# Altium PCB Controller_PVC_v2.PcbDoc (part 2 of 2)
Units mm, origin at the board's own origin, x right, y up, seen from the top; angles counter-clockwise.
Board outline 130.23 x 131.55 mm, 2 copper layers (Top Layer, Bottom Layer); 183 components, 145 nets, 692 pads, 107 vias.
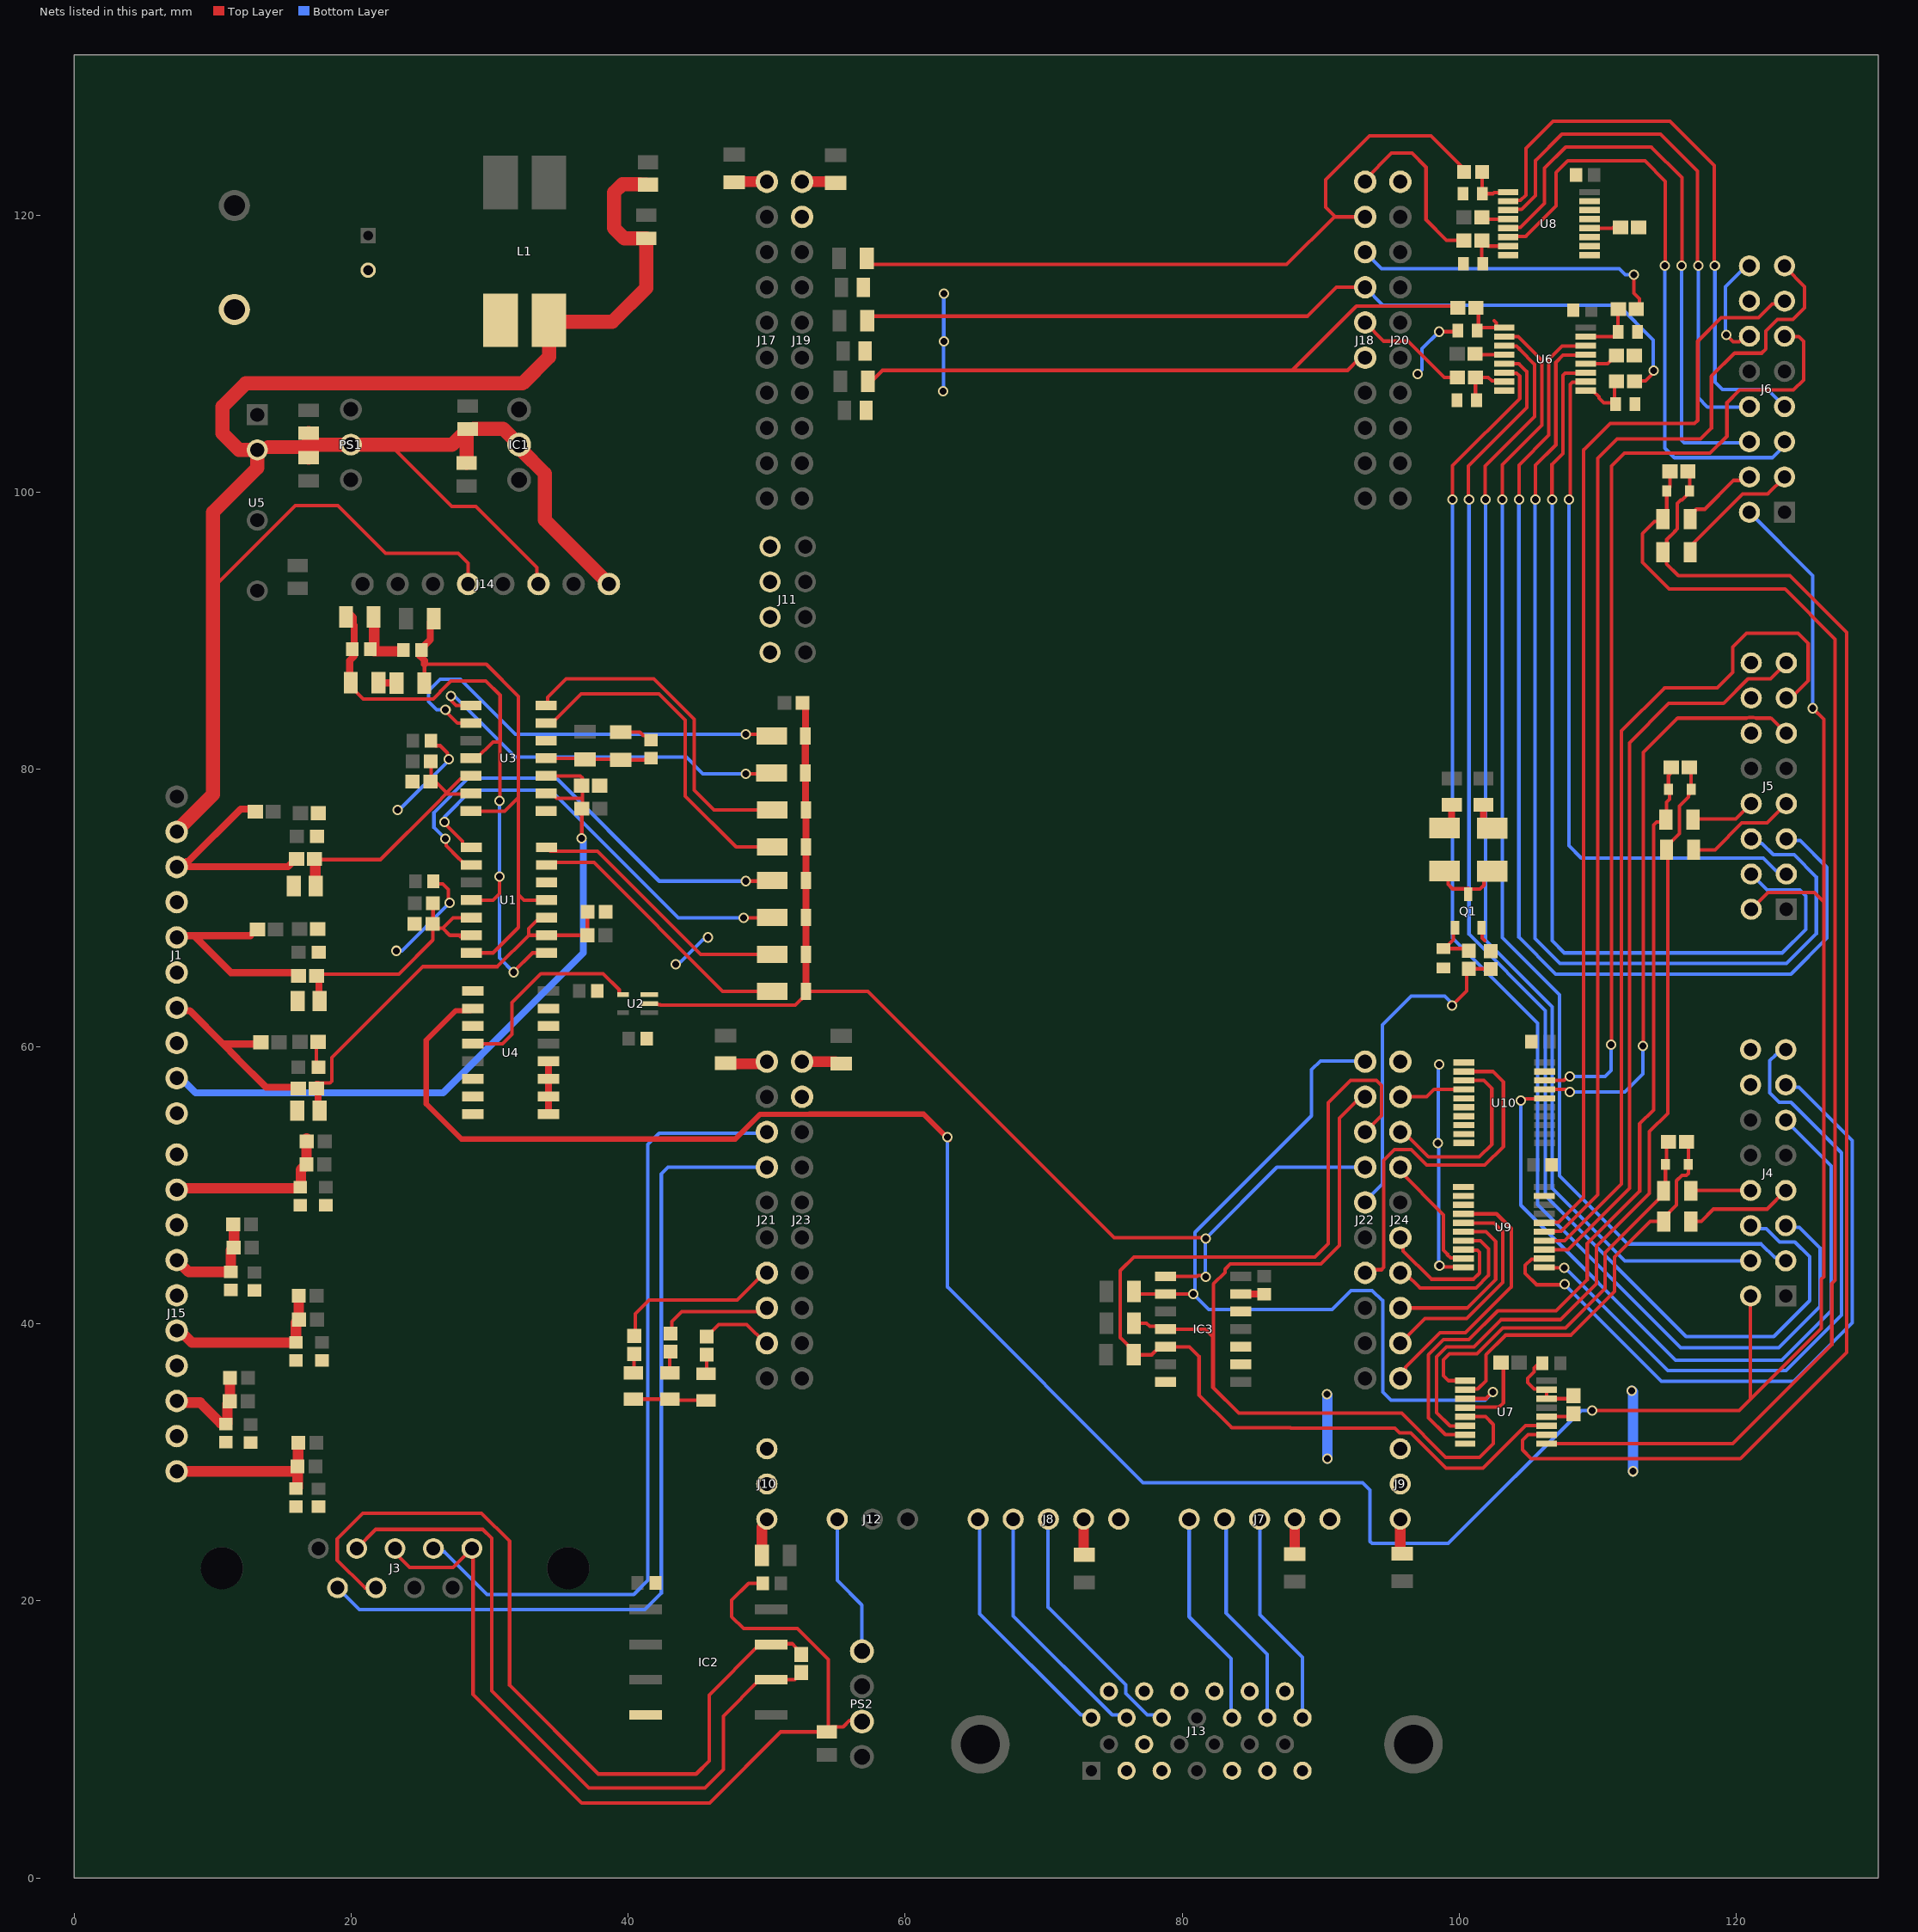
[diagram p2: the nets of this part, all layers, seen from the top]

## Via types
v1: diameter 0.75, hole 0.5, Top Layer to Bottom Layer, 103 vias
v2: diameter 3.2, hole 3.2, Top Layer to Bottom Layer, 4 vias

## Nets (pads, with @x,y where several pads share a name; then routed paths per layer and width w, separated by ;. In a path a pad name is that pad's centre, name@x,y a point inside that pad or via, vN(x,y) a via of type N, cw(c..) or ccw(c..) an arc to the next point about the centre after c; other vN are vias at no path point) (continued)
GND: C1.1 C2.1 C3.1 C4.1 C5.1 C6.1 C7.2 C8.1 C9.2 C10.1 C11.1 C12.1 C13.1 C16.1 C17.1 C18.1 C19.1 C20.1 C21.1 C23.1 C25.1 C26.1 C27.1 C28.1 C29.1 C31.1 C32.1 C33.1 C34.1 C35.1 C38.1 C39.1 C40.1 C41.1 C42.1 C43.1 C44.1 C45.1 C46.1 C47.1 C48.1 C49.1 C50.1 C51.1 C52.1 C53.1 DS1.1 DS2.1 DS3.1 IC1.2 IC2.4 IC3.7 IC3.9 IC3.10 IC3.12 IC3.13 J1.2 J1.4 J1.6 J1.8 J1.10 J4.14 J4.16 J5.12 J5.14 J5.16 J6.12 J6.14 J6.16 J7.5 J8.5 J9.1 J9.2 J10.1 J10.2 J11.1 J11.2 J11.3 J11.4 J12.3 J13.3 J13.4 J13.5 J13.9 J13.11 J13.13 J13.15 J13.17 J13.19 J13.21 J13.23 J13.25 J14.4 J14.6 J14.8 J15.1 J15.3 J15.5 J15.7 J15.9 J19.2 J20.1 J23.2 J24.1 L1.4 PS1.2 PS2.1 Q1.2 R7.1 R8.1 R9.1 R13.2 R14.2 R16.2 R19.2 R22.2 R32.2 R35.2 R39.2 R51.1 R63.1 U1.12 U2.3 U3.8 U3.12 U4.1 U4.3 U4.6 U4.7 U4.8 U4.9 U4.10 U4.11 U4.12 U4.14 U4.15 U5.2 U6.8 U7.8 U7.14 U7.15 U8.8 U8.9 U8.10 U8.11 U8.13 U8.14 U8.15 U9.1 U9.2 U9.3 U9.10 U9.19 U10.1 U10.5 U10.6 U10.7 U10.8 U10.9 U10.10 U10.19 | length 258.8
  Top Layer w0.254: 10.033,93.574 10.516,93.574 15.977,99.035 19.046,99.035 22.5,95.58 27.737,95.58 28.448,94.869 J14.4@28.448,93.37 ; R8.1@17.617,60.325 17.49,60.198 17.49,58.65 C5.1@17.644,58.496 ; 22.936,103.429 22.936,103.302 27.28,98.958 29.007,98.958 33.404,94.561 33.404,93.495 J14.6@33.528,93.37 33.528,93.091 J14.6@33.553,93.066 ; C9.2@25.626,82.167 C9.2@25.748,82.045 ; C7.2@25.938,71.907 26.112,71.734 26.615,71.734 27.032,71.317 27.032,70.453 v1(27.127,70.358) ; C9.2@26.089,81.704 26.428,81.704 26.956,81.176 26.956,80.816 v1(27.051,80.721) ; R19.2@39.7,82.677 40.843,82.677 41.094,82.426 41.293,82.426 41.518,82.201 C11.1@41.518,82.002 ; DS2.1@40.386,34.544 DS1.1@43.002,34.544 43.078,34.468 DS3.1@45.618,34.468 ; v1(98.537,111.582) 99.808,111.582 C34.1@99.884,111.658 ; v1(98.552,44.171) 98.634,44.089 100.24,44.089 U9.10@100.279,44.05 ; Q1.2@101.641,68.796 101.641,67.818 101.829,67.63 ; C33.1@105.715,37.109 105.397,36.791 105.397,36.512 104.931,36.046 104.931,35.737 105.395,35.273 106.247,35.273 U7.15@106.291,35.229 U7.14@106.291,34.579 108.011,34.579 R35.2@108.229,34.798 ; v1(119.249,111.35) 119.754,110.846 120.179,110.846 120.586,111.252 J6.12@120.929,111.252
  Top Layer w0.508: U4.9@34.246,55.118 U4.10@34.246,56.388 U4.11@34.246,57.658 U4.12@34.246,58.928 ; IC3.13@84.215,42.139 84.222,42.131 85.895,42.131 C53.1@85.903,42.124
  Top Layer w0.762: R22.2@21.622,91.288 21.666,91.243 21.666,88.519 C12.1@23.726,88.519
  Top Layer w1.016: J1.2@7.417,75.489 7.417,75.565 10.033,78.181 10.033,93.574 10.033,98.552 13.233,101.752 U5.2@13.233,103.048 11.913,103.048 10.719,104.242 10.719,106.172 12.395,107.848 32.385,107.848 34.287,109.751 L1.4@34.287,112.293 ; 14.023,103.251 16.942,103.251 ; C21.1@16.942,102.481 16.942,103.251 ; C19.1@16.942,104.25 16.942,103.429 ; C20.1@28.346,102.1 C18.1@28.346,104.177 ; C18.1@28.423,104.555 28.4,104.532 28.196,104.532 28.196,104.328 27.297,103.429 22.936,103.429 PS1.2@19.99,103.429 16.942,103.429 ; C18.1@28.838,104.572 30.988,104.572 IC1.2@32.131,103.429 32.267,103.293 32.267,103.065 33.985,101.346 33.985,97.993 J14.8@38.608,93.37 ; L1.4@34.287,112.398 L1.4@34.287,112.293 ; C17.1@41.316,122.203 40.899,122.203 40.877,122.225 39.584,122.225 38.989,121.63 38.989,119.05 39.717,118.321 C16.1@41.3,118.321 41.3,114.732 38.862,112.293 L1.4@34.287,112.293 ; 16.942,103.251 16.942,103.429
  Bottom Layer w0.254: v1(23.266,66.904) 23.673,66.904 v1(27.127,70.358) ; v1(23.368,77.064) 23.47,77.064 v1@27.051,80.645 ; v1(43.434,65.938) 43.568,65.938 43.747,66.117 43.816,66.117 45.389,67.69 45.458,67.69 45.637,67.869 v1(45.771,67.869) ; J12.3@55.093,25.883 55.093,21.463 56.871,19.685 PS2.1@56.871,16.358 ; v1(62.738,107.29) 62.751,107.302 62.751,110.858 62.776,110.884 62.776,114.313 v1(62.789,114.325) ; v1(90.424,34.9) v1@90.464,34.859 ; v1(96.977,108.534) 97.288,108.845 97.288,110.344 98.527,111.582 v1(98.537,111.582) ; v1(98.527,58.699) 98.476,58.649 98.476,53.035 v1(98.45,53.01) 98.501,52.959 98.501,44.221 v1(98.552,44.171) ; v1(119.249,111.35) 119.202,111.397 119.202,114.815 120.719,116.332 J6.16@120.929,116.332
  Bottom Layer w0.762: v1(90.464,30.26) v1@90.464,34.859 ; v1(112.446,35.154) 112.522,35.077 v1(112.522,29.337)
  other v1: 62.789,110.871
GND-ISO: C22.1 C24.2 J3.3 J3.5 PS2.3 | length 68.5
  Top Layer w0.254: J3.3@23.178,23.77 23.178,23.502 23.52,23.159 23.52,23.114 24.232,22.403 27.351,22.403 J3.5@28.718,23.77 28.804,23.684 28.804,13.259 36.652,5.41 45.872,5.41 50.995,10.533 C22.1@54.331,10.533 C22.1@54.458,10.66 ; C24.2@49.718,21.26 48.692,21.26 47.473,20.041 47.473,18.847 48.336,17.983 52.226,17.983 54.458,15.752 C22.1@54.458,10.66 ; PS2.3@56.871,11.278 56.794,11.354 55.982,11.354 55.519,10.891 54.689,10.891 C22.1@54.458,10.66
GPIO0/PWMOUT1A: J18.1 R40.1 | length 13.1
  Top Layer w0.254: J18.1@93.193,122.403 93.193,122.555 95.098,124.46 96.571,124.46 97.587,123.444 97.587,119.659 99.06,118.186 R40.1@100.518,118.186
GPIO1/PWMOUT1B: J18.2 R24.1 R38.1 | length 52.8
  Top Layer w0.254: R24.1@57.309,116.434 87.528,116.434 90.957,119.863 91.059,119.863 ; J18.2@93.193,119.863 91.059,119.863 ; R38.1@100.508,123.139 97.942,125.705 93.497,125.705 90.348,122.555 90.348,120.574 91.059,119.863
GPIO2/PWMOUT2A: J18.3 R27.2 | length 22.8
  Top Layer w0.254: v1(112.598,115.697) 112.598,114.365 113.001,113.962 113.001,113.443 R27.2@112.766,113.208
  Bottom Layer w0.254: J18.3@93.193,117.323 94.384,116.132 111.529,116.132 111.963,115.697 v1(112.598,115.697)
GPIO3/PWMOUT2B: J18.4 R25.1 R29.2 | length 63.3
  Top Layer w0.254: R25.1@57.258,112.7 89.027,112.7 91.11,114.783 J18.4@93.193,114.783 ; R29.2@112.639,108.001 112.659,108.021 113.421,108.021 113.913,108.513 113.913,108.687 v1(114.01,108.785)
  Bottom Layer w0.254: J18.4@93.193,114.783 94.482,113.493 111.436,113.493 111.455,113.513 113.995,110.973 v1@113.995,108.665
GPIO4/PWMOUT3A: J18.5 R33.1 | length 8.3
  Top Layer w0.254: J18.5@93.193,112.243 94.539,110.896 96.291,110.896 98.908,108.28 R33.1@99.858,108.28
GPIO5/PWMOUT3B: J18.6 R26.1 R31.1 | length 50.5
  Top Layer w0.254: R26.1@57.302,107.721 58.369,108.788 87.917,108.788 ; J18.6@92.742,109.608 91.922,108.788 87.917,108.788 ; J18.6@92.931,109.703 J18.6@93.193,109.703 ; R31.1@99.883,113.309 99.759,113.434 92.562,113.434 87.917,108.788 ; R31.1@100.193,113.284 R31.1@100.243,113.284
GPIO6/PWMOUT4A: IC3.2 J22.1 R49.2 U7.3 | length 60.4
  Top Layer w0.254: R49.2@76.511,42.316 76.689,42.139 IC3.2@78.791,42.139 v1(80.797,42.139) ; U7.3@100.415,34.579 101.93,34.579 102.402,35.052 v1(102.419,35.052)
  Bottom Layer w0.254: v1(80.797,42.139) 80.924,42.012 81.915,41.021 90.805,41.021 92.177,42.393 93.701,42.393 94.437,41.656 94.463,41.656 94.463,41.433 ; v1@80.924,42.139 80.924,46.584 89.332,54.991 89.332,58.318 89.967,58.953 93.142,58.953 J22.1@93.193,58.903 ; 94.463,41.432 94.463,35.052 95.047,34.468 101.854,34.468 102.419,35.033 v1(102.419,35.052)
GPIO7/PWMOUT4B: IC3.4 J22.2 R48.2 U7.5 | length 65.7
  Top Layer w0.254: R48.2@76.511,40.03 77.416,40.03 77.647,39.799 78.59,39.799 IC3.4@78.791,39.599 81.661,39.599 82.194,39.065 82.194,35.404 82.245,35.353 ; J22.2@93.193,56.363 92.888,56.363 91.338,54.813 91.338,45.644 89.992,44.298 83.452,44.298 83.071,43.916 83.071,43.69 82.245,42.864 82.245,39.065 82.245,35.353 ; U7.5@100.415,33.279 101.874,33.279 102.438,32.715 102.438,31.344 101.448,30.353 99.009,30.353 95.834,33.528 84.07,33.528 82.245,35.353
GPIO8/PWMOUT5A: IC3.5 J22.3 R47.2 U7.11 | length 77.6
  Top Layer w0.254: J22.3@93.193,53.823 94.386,55.016 94.386,57.175 94.005,57.556 92.151,57.556 90.526,55.931 90.526,45.771 89.56,44.806 76.505,44.806 75.523,43.824 75.523,38.986 76.492,38.017 R47.2@76.492,37.744 77.794,37.744 78.378,38.329 IC3.5@78.791,38.329 80.518,38.329 81.204,37.643 81.204,34.849 83.566,32.487 87.808,32.487 87.833,32.461 95.326,32.461 95.682,32.106 96.495,32.106 99.035,29.566 101.702,29.566 104.765,32.629 U7.11@106.291,32.629
GPIO9/PWMOUT5B: D1.2 D2.2 D3.2 D4.2 D5.2 D6.2 D7.2 D8.2 IC3.1 J22.4 R10.2 U2.2 | length 88.2
  Top Layer w0.254: U2.2@41.529,63.094 41.58,63.043 42.158,63.043 42.198,63.002 42.334,63.002 42.358,62.979 52.07,62.979 52.832,63.741 D1.2@52.832,63.983 57.302,63.983 75.082,46.203 81.63,46.203 v1(81.686,46.146) ; D8.2@52.788,82.391 D8.2@52.794,82.398 ; IC3.1@78.791,43.409 81.077,43.409 81.128,43.459 81.458,43.459 81.534,43.383 v1(81.686,43.383) ; J22.4@93.066,51.156 J22.4@93.193,51.283
  Top Layer w0.508: D8.2@52.788,82.391 52.788,79.737 D7.2@52.781,79.731 52.807,79.705 52.807,77.089 D6.2@52.832,77.064 D5.2@52.832,74.397 D4.2@52.832,71.984 D3.2@52.832,69.317 D2.2@52.832,66.65 D1.2@52.832,63.983 ; D8.2@52.794,82.398 R10.2@52.794,84.493
  Bottom Layer w0.254: v1(81.686,43.383) 81.661,43.409 81.661,46.12 v1(81.686,46.146) 86.823,51.283 J22.4@93.193,51.283
GPIO10/PWMOUT6A: J22.5 R50.1 R51.2 | length 24.1
  Top Layer w0.254: v1(99.466,62.952) 100.508,63.993 R50.1@100.508,65.604 ; R50.1@100.686,65.604 102.235,65.604 R51.2@102.26,65.578
  Bottom Layer w0.254: J22.5@93.193,48.743 93.193,48.844 94.437,50.089 94.437,61.544 96.52,63.627 98.933,63.627 v1@99.492,63.068
GPIO14/OPXBAR3: J22.7 U10.2 | length 27
  Top Layer w0.254: J22.7@93.193,43.663 93.416,43.886 94.384,43.886 94.542,44.044 94.542,51.776 95.318,52.553 96.52,52.553 97.638,51.435 101.829,51.435 103.175,52.781 103.175,57.429 102.414,58.191 U10.2@100.305,58.191
GPIO25/OPXBAR2: J24.10 U9.4 | length 19.1
  Top Layer w0.254: J24.10@95.733,36.043 95.733,36.412 96.105,36.785 96.105,36.847 98.603,39.345 100.432,39.345 103.734,42.647 103.734,46.863 102.677,47.92 U9.4@100.279,47.92
GPIO26/SD2D2: J24.8 U9.6 | length 13.1
  Top Layer w0.254: J24.8@95.733,41.123 100.551,41.123 102.616,43.187 102.616,45.923 101.909,46.63 U9.6@100.279,46.63
GPIO27/SD2CLK2: J24.9 U9.5 | length 16
  Top Layer w0.254: J24.9@95.733,38.583 97.511,40.361 100.508,40.361 103.124,42.977 103.124,46.634 102.514,47.244 100.31,47.244 U9.5@100.279,47.275
GPIO41/I2CSCLB/J5: J21.9 R44.2 | length 5.3
  Top Layer w0.254: R44.2@45.669,39.055 46.543,39.929 48.565,39.929 49.911,38.583 J21.9@50.013,38.583
GPIO52/J5: J21.8 R42.2 | length 8.2
  Top Layer w0.254: R42.2@43.053,39.283 43.155,39.385 43.155,40.157 43.866,40.869 49.759,40.869 J21.8@50.013,41.123
GPIO63/SPIBMOSI: J24.6 U9.8 | length 10.3
  Top Layer w0.254: J24.6@95.733,46.203 95.94,45.995 95.94,45.233 97.968,43.205 101.016,43.205 101.448,43.637 101.448,45.152 101.299,45.301 100.318,45.301 U9.8@100.279,45.34
GPIO64/SPIBMISO: J24.7 U9.7 | length 11.2
  Top Layer w0.254: J24.7@95.733,43.663 96.063,43.663 97.155,42.57 101.194,42.57 102.108,43.485 102.108,45.39 101.513,45.985 U9.7@100.279,45.985
GPIO65/SPIBCLK: J21.7 R43.2 | length 12.4
  Top Layer w0.254: R43.2@40.437,39.106 40.513,39.182 40.513,40.716 41.504,41.707 47.879,41.707 49.835,43.663 J21.7@50.013,43.663
GPIO66/SPIBCS: J24.2 U10.4 | length 4.8
  Top Layer w0.254: J24.2@95.733,56.363 97.636,56.363 98.174,56.901 U10.4@100.305,56.901
GPIO130/SD2D1: J24.4 U9.9 | length 9
  Top Layer w0.254: J24.4@95.733,51.283 95.733,50.97 98.857,47.846 98.857,45.288 99.136,45.009 99.136,44.957 99.359,44.734 100.24,44.734 U9.9@100.279,44.695
GPIO131/SD2CLK1: J24.3 U10.3 | length 14
  Top Layer w0.254: J24.3@95.733,53.823 95.968,53.823 97.772,52.019 101.422,52.019 102.337,52.934 102.337,56.972 101.763,57.546 U10.3@100.305,57.546
HighLimit: C12.2 R17.2 R20.1 U1.7 U1.11 U3.7 | length 39.9
  Top Layer w0.254: R20.1@25.279,86.233 25.298,86.252 25.298,87.579 29.769,87.579 32.08,85.268 32.08,77.953 ; U3.7@28.657,76.987 28.682,76.962 31.09,76.962 32.08,77.953 ; U1.7@28.682,66.751 30.251,66.751 32.08,68.58 32.08,70.968 ; U1.11@34.106,70.561 32.487,70.561 32.08,70.968 ; 32.08,70.968 32.08,77.953
  Top Layer w0.508: 25.298,87.579 25.298,87.852 24.958,88.193 24.958,88.613 25.026,88.682 25.113,88.682 25.281,88.849 25.281,88.924 25.711,89.354 25.711,90.634 R17.2@25.959,90.881
LowLimit: C13.2 R21.2 R22.1 U1.4 U1.8 U3.4 | length 47.1
  Top Layer w0.254: R21.2@19.907,86.335 19.907,86.062 20.891,85.077 25.939,85.077 26.442,85.581 26.442,85.612 27.216,86.385 29.718,86.385 30.759,85.344 30.759,81.991 30.734,81.966 ; U3.4@28.657,80.797 28.677,80.797 28.727,80.747 29.019,80.747 30.238,81.966 30.734,81.966 ; U1.4@28.682,70.561 30.251,70.561 30.709,71.018 v1(30.709,72.263) ; v1(30.709,77.724) 30.734,77.749 30.734,81.966 ; v1(31.75,65.354) 31.75,65.405 33.096,66.751 U1.8@34.106,66.751
  Top Layer w0.508: R21.2@19.907,86.335 19.907,87.852 20.229,88.174 20.229,88.664 20.229,90.393 20.155,90.467 20.155,90.964 R22.1@19.907,91.211
  Bottom Layer w0.254: v1(30.709,77.724) v1(30.709,72.263) 30.709,66.396 v1(31.75,65.354)
NetC15_2: C15.2 J2.2 L1.3
NetC30_1: C30.1 L3.1 R28.1 U7.1 | length 28.9
  Top Layer w0.254: U7.1@100.415,35.879 99.223,35.879 98.857,36.246 98.857,37.389 99.289,37.821 101.263,37.821 103.117,39.675 107.645,39.675 110.515,42.545 110.515,45.117 114.381,48.983 114.732,49.334 L3.1@114.732,49.581 114.869,49.718 C30.1@114.869,51.486 114.869,51.572 114.884,51.587 114.899,51.587 114.945,51.634 114.945,52.705 R28.1@115.123,52.883
NetC30_2: C30.2 L2.1 R28.2 U7.2 | length 28.1
  Top Layer w0.254: U7.2@100.415,35.229 100.459,35.273 101.31,35.273 101.905,35.868 101.905,37.744 103.327,39.167 108.041,39.167 111.201,42.327 111.201,44.806 113.767,47.371 L2.1@114.745,47.371 ; L2.1@114.745,47.618 115.672,48.545 115.672,50.307 116.052,50.687 116.376,50.687 116.525,50.836 C30.2@116.525,51.486 116.525,52.781 R28.2@116.423,52.883
NetC31_2: C31.2 R27.1 U6.15 | length 4.2
  Top Layer w0.254: U6.15@109.11,111.226 111.189,111.226 111.452,111.489 C31.2@111.452,111.557 111.452,113.194 R27.1@111.466,113.208
NetC32_2: C32.2 R29.1 U6.9 | length 4.3
  Top Layer w0.254: U6.9@109.11,107.326 109.622,107.326 110.08,106.869 110.08,106.788 110.416,106.451 111.187,106.451 111.187,108.002 R29.1@111.339,108.153
NetC34_2: C34.2 R31.2 U6.1 | length 4.4
  Top Layer w0.254: R31.2@101.183,113.309 101.194,113.309 101.371,113.132 101.371,111.789 101.393,111.767 101.502,111.876 U6.1@102.758,111.876 ; R31.2@101.543,113.284 R31.2@101.578,113.249 ; 102.511,112.37 102.66,112.221 102.66,111.974 U6.1@102.758,111.876 ; U6.1@103.008,111.876 U6.1@102.758,111.876 ; U6.1@103.234,111.876 U6.1@102.758,111.876
NetC35_2: C35.2 R33.2 U6.7 | length 3.9
  Top Layer w0.254: C35.2@101.233,106.629 101.158,106.705 R33.2@101.158,108.28 102.078,108.28 102.339,108.02 103.19,108.02 U6.7@103.234,107.976
NetC36_1: C36.1 L5.1 R36.1 U7.7 | length 60.9
  Top Layer w0.254: U7.7@100.415,31.979 98.983,31.979 97.765,33.198 97.765,37.744 98.857,38.837 100.686,38.837 102.768,40.919 106.985,40.919 109.22,43.155 109.22,45.771 113.005,49.555 113.005,54.407 114.021,55.423 114.021,75.975 114.238,76.192 114.737,76.192 114.948,76.403 114.948,77.635 115.164,77.851 115.164,78.232 115.062,78.334 115.087,78.359 115.087,79.542 R36.1@115.301,79.756
NetC36_2: C36.2 L4.1 R36.2 U7.6 | length 60.7
  Top Layer w0.254: U7.6@100.415,32.629 100.387,32.601 99.326,32.601 98.349,33.579 98.349,37.61 99.067,38.329 101.052,38.329 103.008,40.284 107.294,40.284 109.88,42.871 109.88,45.568 113.716,49.403 113.716,53.848 115.037,55.169 115.037,74.105 L4.1@114.948,74.193 ; L4.1@114.63,74.123 115.875,75.368 115.875,77.355 116.517,77.997 116.517,78.133 116.718,78.334 116.718,80.005 R36.2@116.586,80.137
NetC37_1: C37.1 L7.1 R41.1 U7.9 | length 98.4
  Top Layer w0.254: U7.9@106.291,31.329 119.721,31.329 126.873,38.481 126.873,42.889 127.114,43.13 127.114,89.395 123.495,93.015 115.138,93.015 113.208,94.945 113.208,97.003 114.085,97.88 114.505,97.88 114.795,98.171 114.96,98.336 C37.1@114.96,100.076 114.96,100.148 115.189,100.377 R41.1@115.189,101.498
NetC37_2: C37.2 L6.1 R41.2 U7.10 | length 103.9
  Top Layer w0.254: U7.10@106.291,31.979 104.953,31.979 104.546,31.572 104.546,30.886 105.181,30.251 120.269,30.251 127.94,37.922 127.94,89.891 123.85,93.98 115.799,93.98 114.952,94.826 114.952,95.626 L6.1@114.795,95.783 ; L6.1@114.795,95.936 114.96,96.101 114.96,96.569 115.553,97.161 115.553,97.187 115.722,97.356 115.722,99.187 115.979,99.444 116.056,99.444 116.616,100.004 C37.2@116.616,100.076 116.616,101.371 R41.2@116.489,101.498
NetC38_2: C38.2 R38.2 U8.1 | length 3.5
  Top Layer w0.254: R38.2@101.64,123.114 101.64,121.549 C38.2@101.651,121.539 102.422,121.539 102.494,121.611 103.469,121.611 U8.1@103.513,121.655
NetC39_2: C39.2 R40.2 U8.7 | length 3.8
  Top Layer w0.254: C39.2@101.69,116.484 101.615,116.56 R40.2@101.615,118.161 101.665,118.161 102.071,117.755 U8.7@103.513,117.755
NetC42_2: C42.2 Q1.1 R50.2 | length 3.7
  Top Layer w0.254: C42.2@98.831,67.059 C42.2@98.936,67.059 ; Q1.1@99.68,68.574 99.57,68.464 99.57,67.693 C42.2@98.936,67.059 ; R50.2@100.686,66.904 100.53,67.059 C42.2@98.936,67.059
NetC43_2: C43.2 J15.10 R52.1 R54.1 | length 12.3
  Top Layer w0.762: J15.10@7.417,29.337 15.784,29.337 R54.1@16.139,29.693 ; C43.2@16.027,28.092 16.072,28.092 16.139,28.159 R54.1@16.139,29.693 ; R52.1@16.205,31.394 16.172,31.362 16.172,29.725 R54.1@16.139,29.693
NetC44_2: C44.2 J15.4 R53.1 R55.1 | length 7.8
  Top Layer w0.762: J15.4@7.417,44.577 7.439,44.577 8.292,43.724 C44.2@11.328,43.724 11.328,45.293 R55.1@11.527,45.491 11.557,45.521 11.557,47.102 R53.1@11.491,47.168
NetC47_2: C47.2 J15.8 R56.1 R58.1 | length 7.7
  Top Layer w0.762: J15.8@7.417,34.417 7.531,34.303 9.105,34.303 10.599,32.809 10.909,32.809 C47.2@10.973,32.745 11.018,32.745 11.082,32.809 11.082,34.226 R58.1@11.248,34.392 11.255,34.399 11.255,36.086 R56.1@11.263,36.093
NetC48_2: C48.2 J15.2 R57.1 R59.1 | length 12.8
  Top Layer w0.762: J15.2@7.417,49.657 7.531,49.771 16.268,49.771 C48.2@16.332,49.835 ; C48.2@16.383,49.899 16.383,51.094 R59.1@16.774,51.486 ; R59.1@16.789,51.501 16.789,53.365 16.8,53.355 R57.1@16.8,53.137
NetC51_2: C51.2 J15.6 R60.1 R61.1 | length 12.4
  Top Layer w0.762: J15.6@7.417,39.497 7.649,39.497 8.513,38.633 C51.2@16.027,38.633 16.027,40.071 R61.1@16.241,40.284 16.228,40.297 16.228,41.999 R60.1@16.216,42.012
NetD1_1: D1.1 U1.13 | length 20.2
  Top Layer w0.254: U1.13@34.106,73.101 34.284,73.279 37.529,73.279 46.826,63.983 D1.1@50.406,63.983
NetD2_1: D2.1 U1.14 | length 19.5
  Top Layer w0.254: U1.14@34.106,74.371 34.386,74.092 37.794,74.092 45.236,66.65 D2.1@50.406,66.65
NetD3_1: D3.1 U1.1 | length 31.5
  Top Layer w0.254: v1(26.746,76.2) 26.746,76.101 28.047,74.8 28.047,74.594 28.27,74.371 U1.1@28.682,74.371 ; v1(48.336,69.291) 50.301,69.291 50.341,69.251 D3.1@50.406,69.317
  Bottom Layer w0.254: v1(26.746,76.2) 26.746,76.556 28.677,78.486 34.419,78.486 43.614,69.291 v1(48.336,69.291)
NetD4_1: D4.1 U1.2 | length 33.7
  Top Layer w0.254: v1(26.797,74.981) 26.862,74.916 26.862,74.484 27.813,73.533 27.838,73.533 28.27,73.101 U1.2@28.682,73.101 ; v1(48.489,71.933) 50.394,71.933 50.406,71.945 D4.1@50.406,71.984
  Bottom Layer w0.254: v1(26.797,74.981) 25.984,75.794 25.984,76.871 28.463,79.35 34.823,79.35 42.24,71.933 v1(48.489,71.933)
NetD5_1: D5.1 U3.13 | length 25
  Top Layer w0.254: U3.13@34.081,83.337 34.493,83.337 34.716,83.56 36.601,85.446 42.226,85.446 44.12,83.551 44.12,78.069 47.792,74.397 D5.1@50.406,74.397
NetD6_1: D6.1 U3.14 | length 24.3
  Top Layer w0.254: U3.14@34.081,84.607 34.186,84.713 34.186,85.19 35.535,86.538 41.852,86.538 44.78,83.609 44.78,78.486 46.203,77.064 D6.1@50.406,77.064
NetD7_1: D7.1 U3.1 | length 27.6
  Top Layer w0.254: v1(27.198,85.298) 27.178,85.278 27.178,85.009 27.579,84.607 U3.1@28.657,84.607 ; v1(48.489,79.68) 50.14,79.68 50.216,79.604 D7.1@50.355,79.743 ; D7.1@50.355,79.731 D7.1@50.355,79.743 ; D7.1@50.368,79.756 D7.1@50.355,79.743
  Bottom Layer w0.254: v1(27.198,85.298) 27.207,85.307 27.418,85.307 31.852,80.874 44.2,80.874 45.393,79.68 v1(48.489,79.68)
NetD8_1: D8.1 U3.2 | length 31.5
  Top Layer w0.254: v1(26.817,84.3) 26.817,84.206 27.686,83.337 U3.2@28.657,83.337 ; v1(48.489,82.525) 49.835,82.525 50.038,82.321 50.241,82.525 D8.1@50.368,82.398
  Bottom Layer w0.254: v1(26.817,84.3) 26.19,84.3 25.603,84.887 25.603,85.649 26.441,86.487 27.889,86.487 31.852,82.525 v1(48.489,82.525)
NetD9_1: D9.1 D10.1 Q1.3 | length 5.3
  Top Layer w0.254: D9.1@98.933,72.669 99.179,72.424 99.179,71.687 99.492,71.374 Q1.3@100.686,71.374 ; Q1.3@100.635,71.425 Q1.3@100.686,71.374 ; D10.1@102.362,72.643 101.778,72.059 101.778,71.653 101.473,71.349 100.711,71.349 Q1.3@100.686,71.374
NetD9_2: D9.2 R45.1 | length 1.9
  Top Layer w0.508: D9.2@98.806,75.87 98.945,75.87 99.441,76.366 R45.1@99.441,77.434
NetD10_2: D10.2 R46.1 | length 2
  Top Layer w0.508: R46.1@101.727,77.434 101.727,76.34 102.223,75.844 102.362,75.844 D10.2@102.362,75.743
NetDS1_2: DS1.2 R42.1 | length 1.6
  Top Layer w0.254: DS1.2@43.002,36.444 43.002,37.933 R42.1@43.053,37.983
NetDS2_2: DS2.2 R43.1 | length 1.4
  Top Layer w0.254: DS2.2@40.386,36.444 40.437,36.495 R43.1@40.437,37.806
NetDS3_2: DS3.2 R44.1 | length 1.5
  Top Layer w0.254: DS3.2@45.368,36.368 45.669,36.669 R44.1@45.669,37.755
NetIC2_6: IC2.6 J3.2 R23.1 | length 52.6
  Top Layer w0.254: J3.2@20.408,23.77 21.785,25.146 29.51,25.146 30.15,24.506 30.15,13.487 37.16,6.477 45.542,6.477 46.873,7.807 46.873,11.677 49.496,14.3 IC2.6@50.321,14.3 52.033,14.3 52.502,14.769 R23.1@52.502,14.819
NetIC2_7: IC2.7 J3.7 R23.2 | length 60.4
  Top Layer w0.254: J3.7@21.793,20.93 21.006,20.93 18.999,22.936 18.999,24.46 20.853,26.314 29.413,26.314 31.445,24.282 31.445,13.894 37.846,7.493 44.907,7.493 45.847,8.433 45.847,13.191 49.496,16.84 IC2.7@50.321,16.84 50.378,16.897 51.83,16.897 52.129,16.598 52.129,16.492 R23.2@52.502,16.119
NetJ4_2: J4.2 J5.2 J6.2 U4.2 | length 214
  Top Layer w0.254: v1(109.576,33.731) 120.193,33.731 121.006,34.544 ; J4.2@121.006,41.986 121.006,34.544 ; J5.2@121.056,69.901 122.263,71.107 125.616,71.107 126.289,70.434 ; v1(125.501,84.404) 126.289,83.617 126.289,70.434 ; 121.006,34.544 126.111,39.649 126.111,43.205 126.289,43.382 126.289,70.434
  Top Layer w0.381: U4.2@28.796,62.738 28.637,62.578 27.552,62.578 25.425,60.452 25.425,55.855 27.965,53.315 47.73,53.315 49.524,55.108 53.072,55.108 53.082,55.118 61.316,55.118 v1@63.17,53.264
  Bottom Layer w0.254: v1(63.043,53.467) 63.043,42.647 77.165,28.524 93.015,28.524 93.548,27.991 93.548,24.279 93.697,24.13 99.187,24.13 108.788,33.731 v1(109.576,33.731) ; J6.2@120.929,98.552 125.501,93.98 v1(125.501,84.404)
NetJ4_3: J4.3 U6.2 | length 84
  Top Layer w0.254: v1(103.092,99.466) 103.098,99.473 103.098,101.98 105.942,104.824 105.942,109.526 104.242,111.227 U6.2@103.235,111.227
  Bottom Layer w0.254: v1(103.092,99.466) 103.099,99.46 103.099,67.843 107.213,63.729 107.213,50.673 112.141,45.745 121.777,45.745 122.753,44.769 123.303,44.769 J4.3@123.546,44.526
NetJ4_4: J4.4 U6.3 | length 82.8
  Top Layer w0.254: v1(101.892,99.466) 101.865,99.493 101.865,101.89 105.434,105.459 105.434,109.221 104.352,110.303 104.352,110.309 104.129,110.532 103.278,110.532 U6.3@103.234,110.576
  Bottom Layer w0.254: v1(101.892,99.466) 101.892,67.679 106.705,62.865 106.705,49.759 111.938,44.526 J4.4@121.633,44.526
NetJ4_5: J4.5 U6.6 | length 98.8
  Top Layer w0.254: v1(99.492,99.466) 99.492,101.905 104.352,106.765 104.352,108.359 104.129,108.582 103.278,108.582 U6.6@103.234,108.626
  Bottom Layer w0.254: v1(99.492,99.466) 99.492,67.818 105.639,61.671 105.639,48.59 115.976,38.252 123.041,38.252 126.035,41.246 126.035,45.441 124.532,46.944 123.668,46.944 J4.5@123.546,47.066
NetJ4_6: J4.6 U6.5 | length 98.1
  Top Layer w0.254: v1(100.692,99.466) 100.633,99.525 100.633,101.878 104.86,106.105 104.86,108.703 104.841,108.723 104.287,109.276 U6.5@103.234,109.276
  Bottom Layer w0.254: v1(100.692,99.466) 100.692,68.091 106.197,62.586 106.197,49.225 116.357,39.065 122.687,39.065 125.273,41.651 125.273,44.831 124.206,45.898 123.098,45.898 122.149,46.847 121.225,46.847 J4.6@121.006,47.066
NetJ4_7: J4.7 L2.2 | length 7.8
  Top Layer w0.254: L2.2@116.7,47.371 117.45,47.371 118.339,48.26 122.199,48.26 J4.7@123.546,49.606
NetJ4_8: J4.8 L3.2 | length 4.3
  Top Layer w0.254: L3.2@116.687,49.581 116.713,49.606 J4.8@121.006,49.606
NetJ4_11: J4.11 U10.16 | length 53
  Top Layer w0.254: v1(104.419,56.083) 104.553,56.217 106.051,56.217 106.096,56.261 106.101,56.256 U10.16@106.147,56.256
  Bottom Layer w0.254: v1(104.419,56.083) 104.419,48.539 115.595,37.363 123.266,37.363 126.822,40.919 126.822,51.377 123.546,54.654 J4.11@123.546,54.686
NetJ4_13: J4.13 U9.12 | length 50.4
  Top Layer w0.254: U9.12@106.121,44.695 106.082,44.656 105.201,44.656 104.75,44.204 104.75,43.612 105.562,42.799 107.558,42.799 v1(107.602,42.843)
  Bottom Layer w0.254: v1(107.602,42.843) 107.602,42.817 114.579,35.839 124.13,35.839 128.346,40.056 128.346,53.213 124.493,57.066 123.706,57.066 J4.13@123.546,57.226
NetJ4_15: J4.15 U9.11 | length 48.7
  Top Layer w0.254: U9.11@106.121,44.05 106.137,44.034 107.553,44.034 v1(107.569,44.018)
  Bottom Layer w0.254: v1(107.569,44.018) 107.633,44.018 115.05,36.601 123.582,36.601 127.584,40.604 127.584,52.324 123.927,55.982 123.085,55.982 122.403,56.664 122.403,58.979 122.814,59.39 122.825,59.39 123.202,59.766 J4.15@123.546,59.766
NetJ5_3: J5.3 U6.10 | length 51.1
  Top Layer w0.254: v1(107.892,99.466) 107.989,99.564 107.989,100.226 107.991,100.228 107.991,107.783 108.14,107.932 109.066,107.932 U6.10@109.11,107.976
  Bottom Layer w0.254: v1(107.892,99.466) 107.892,74.48 108.788,73.584 121.92,73.584 122.82,72.684 123.353,72.684 J5.3@123.596,72.441
NetJ5_4: J5.4 U6.11 | length 69.2
  Top Layer w0.254: v1(106.692,99.466) 106.68,99.478 106.68,102.006 107.466,102.792 107.466,108.433 107.615,108.582 109.066,108.582 U6.11@109.11,108.626
  Bottom Layer w0.254: v1(106.692,99.466) 106.692,67.628 107.569,66.751 123.295,66.751 124.993,68.449 124.993,70.866 124.562,71.298 122.199,71.298 J5.4@121.056,72.441
NetJ5_5: J5.5 U6.14 | length 78.9
  Top Layer w0.254: v1(104.292,99.466) 104.294,99.469 104.294,101.957 106.45,104.113 106.45,109.574 107.408,110.532 109.066,110.532 U6.14@109.11,110.576
  Bottom Layer w0.254: v1(104.292,99.466) 104.292,67.873 106.938,65.227 123.927,65.227 126.517,67.818 126.517,72.923 124.582,74.858 123.719,74.858 J5.5@123.596,74.981
NetJ5_6: J5.6 U6.13 | length 76.5
  Top Layer w0.254: v1(105.492,99.466) 105.492,101.936 106.958,103.402 106.958,109.364 107.476,109.882 109.066,109.882 U6.13@109.11,109.926
  Bottom Layer w0.254: v1(105.492,99.466) 105.461,99.435 105.461,67.782 107.253,65.989 123.611,65.989 125.755,68.134 125.755,72.238 124.155,73.838 122.657,73.838 121.839,74.655 121.726,74.655 121.4,74.981 J5.6@121.056,74.981
NetJ5_7: J5.7 L4.2 | length 8.1
  Top Layer w0.254: L4.2@116.903,74.193 118.447,74.193 120.378,76.124 122.199,76.124 J5.7@123.596,77.521
NetJ5_8: J5.8 L5.2 | length 4.6
  Top Layer w0.254: L5.2@116.903,76.403 119.939,76.403 J5.8@121.056,77.521
NetJ5_11: J5.11 U10.17 | length 42.7
  Top Layer w0.254: U10.17@106.147,56.901 107.656,56.901 107.838,56.718 v1(107.975,56.718) ; v1@113.259,60.046 113.259,81.229 115.648,83.619 cw(c115.828,83.439) 115.828,83.693 120.683,83.693 ccw(c120.683,83.947) 120.751,83.702 cw(c121.056,82.601) 121.362,83.702 ccw(c121.43,83.947) 121.43,83.693 122.398,83.693 cw(c122.399,83.439) 122.579,83.619 J5.11@123.596,82.601
  Bottom Layer w0.254: v1(107.975,56.718) 111.938,56.718 113.233,58.014 v1(113.233,60.046)
NetJ5_13: J5.13 U9.14 | length 62.5
  Top Layer w0.254: U9.14@106.121,45.985 107.605,45.985 111.697,50.077 111.697,82.767 114.808,85.877 118.618,85.877 119.736,86.995 119.736,88.824 120.726,89.814 124.435,89.814 125.171,89.078 125.171,86.411 123.901,85.141 J5.13@123.596,85.141
NetJ5_15: J5.15 U9.13 | length 53.8
  Top Layer w0.254: U9.13@106.121,45.34 107.842,45.34 112.268,49.766 112.268,81.915 115.113,84.76 119.059,84.76 120.825,86.526 122.442,86.526 J5.15@123.596,87.681
NetJ6_3: J6.3 L6.2 | length 9
  Top Layer w0.254: L6.2@116.751,95.936 116.751,96.183 120.441,99.873 122.25,99.873 J6.3@123.469,101.092
NetJ6_4: J6.4 L7.2 | length 5.5
  Top Layer w0.254: L7.2@116.751,98.171 116.751,98.418 117.102,98.769 117.717,98.769 119.797,100.849 120.686,100.849 J6.4@120.929,101.092
NetJ6_5: J6.5 U8.6 | length 44.5
  Top Layer w0.254: U8.6@103.513,118.405 103.557,118.449 104.784,118.449 106.985,120.65 106.985,123.063 107.823,123.901 113.386,123.901 114.859,122.428 114.859,116.376 v1(114.834,116.351)
  Bottom Layer w0.254: v1(114.834,116.351) 114.834,103.174 115.519,102.489 122.58,102.489 123.469,103.378 J6.5@123.469,103.632
NetJ6_6: J6.6 U8.5 | length 41.3
  Top Layer w0.254: U8.5@103.513,119.055 103.557,119.099 104.409,119.099 106.147,120.837 106.147,123.393 107.671,124.917 113.843,124.917 116.053,122.707 116.053,116.37 v1(116.034,116.351)
  Bottom Layer w0.254: v1(116.034,116.351) 116.034,103.752 116.227,103.559 120.857,103.559 J6.6@120.929,103.632
NetJ6_7: J6.7 U8.2 | length 42
  Top Layer w0.254: U8.2@103.513,121.005 103.557,121.049 104.409,121.049 104.8,121.441 104.8,124.816 106.756,126.771 115.189,126.771 118.389,123.571 118.389,116.396 v1(118.434,116.351)
  Bottom Layer w0.254: v1(118.434,116.351) 118.434,107.956 118.974,107.417 122.225,107.417 J6.7@123.469,106.172
NetJ6_8: J6.8 U8.3 | length 38.9
  Top Layer w0.254: U8.3@103.513,120.355 103.557,120.399 104.477,120.399 105.486,121.408 105.486,123.927 107.391,125.832 114.503,125.832 117.17,123.165 117.17,116.415 v1(117.234,116.351)
  Bottom Layer w0.254: v1(117.234,116.351) 117.234,106.819 117.907,106.147 120.904,106.147 J6.8@120.929,106.172
NetJ6_11: J6.11 U10.18 | length 70.8
  Top Layer w0.254: U10.18@106.147,57.546 107.548,57.546 107.838,57.836 v1(107.975,57.836) ; v1(110.941,60.117) 110.941,60.213 110.973,60.244 110.973,101.879 111.912,102.819 118.085,102.819 119.304,104.038 119.304,106.461 120.209,107.366 124.104,107.366 124.841,108.102 124.841,110.871 124.489,111.223 J6.11@123.542,111.223
  Bottom Layer w0.254: v1(107.975,57.836) 110.515,57.836 110.941,58.262 v1(110.941,60.117)
NetJ6_13: J6.13 U9.16 | length 79.8
  Top Layer w0.254: U9.16@106.121,47.275 106.16,47.314 107.156,47.314 108.966,49.124 108.966,103.048 110.871,104.953 116.967,104.953 117.196,105.181 117.196,110.896 118.897,112.598 121.59,112.598 122.572,113.581 123.258,113.581 J6.13@123.469,113.792
NetJ6_15: J6.15 U9.15 | length 84
  Top Layer w0.254: U9.15@106.121,46.63 106.16,46.669 107.349,46.669 109.982,49.301 109.982,102.438 111.379,103.835 117.399,103.835 118.186,104.623 118.186,108.356 119.863,110.033 121.818,110.033 122.123,110.338 122.123,111.633 122.961,112.471 124.079,112.471 124.917,113.309 124.917,114.833 J6.15@123.495,116.256
NetJ7_4: J7.4 R69.2 | length 2.5
  Top Layer w0.762: R69.2@88.113,23.368 J7.4@88.113,25.883
NetJ8_4: J8.4 R70.2 | length 2.6
  Top Layer w0.762: J8.4@72.873,25.883 72.873,23.368 R70.2@72.923,23.317
NetJ9_3: J9.3 R68.2 | length 2.5
  Top Layer w0.762: J9.3@95.733,25.883 95.733,23.52 R68.2@95.86,23.393
NetJ10_3: J10.3 R71.2 | length 2.8
  Top Layer w0.762: R71.2@49.657,23.266 49.657,25.321 50.013,25.676 J10.3@50.013,25.883
NetJ17_1: J17.1 R64.2 | length 2.4
  Top Layer w0.762: R64.2@47.65,122.371 47.682,122.403 J17.1@50.013,122.403
NetJ19_1: J19.1 R65.1 | length 2.4
  Top Layer w0.762: J19.1@52.553,122.403 54.883,122.403 R65.1@54.966,122.32
NetJ21_1: J21.1 R66.2 | length 3.1
  Top Layer w0.762: R66.2@47.041,58.795 47.085,58.75 49.86,58.75 J21.1@50.013,58.903
NetJ23_1: J23.1 R67.1 | length 2.7
  Top Layer w0.762: J23.1@52.553,58.903 54.953,58.903 R67.1@55.194,58.661
NetR20_2: R20.2 R21.1 | length 1.4
  Top Layer w0.508: R21.1@21.882,86.233 R20.2@23.285,86.233
NetR30_2: R30.2 U6.4 | length 1.9
  Top Layer w0.254: R30.2@101.503,109.779 101.65,109.926 U6.4@103.234,109.926 U6.4@103.19,109.97
NetR32_1: R32.1 U6.12 | length 2.5
  Top Layer w0.254: U6.12@109.11,109.276 110.695,109.276 111.274,109.855 R32.1@111.324,109.855
NetR34_1: R34.1 U7.4 | length 5.9
  Top Layer w0.254: U7.4@100.415,33.929 100.459,33.973 102.858,33.973 103.175,34.29 103.175,37.018 R34.1@103.007,37.186
NetR35_1: R35.1 U7.12 | length 2
  Top Layer w0.254: U7.12@106.291,33.279 108.011,33.279 R35.1@108.229,33.498
NetR37_2: R37.2 U8.4 | length 2
  Top Layer w0.254: R37.2@101.625,119.837 101.758,119.705 103.22,119.705 103.251,119.736 103.282,119.705 U8.4@103.513,119.705
NetR39_1: R39.1 U8.12 | length 1.7
  Top Layer w0.254: U8.12@109.389,119.055 111.054,119.055 R39.1@111.1,119.101
NetU2_4: U2.4 U4.4 | length 15.1
  Top Layer w0.254: U4.4@28.796,60.198 30.937,60.198 31.623,60.884 31.623,63.17 33.706,65.253 38.202,65.253 39.353,64.101 39.353,63.794 39.404,63.744 U2.4@39.624,63.744
QEA_A: J7.1 J13.22 | length 15.6
  Bottom Layer w0.254: J7.1@80.493,25.883 80.493,18.847 83.515,15.824 83.515,11.628 J13.22@83.591,11.552
QEA_B: J7.2 J13.24 | length 15.6
  Bottom Layer w0.254: J7.2@83.033,25.883 83.16,25.756 83.16,19.101 86.131,16.129 J13.24@86.131,11.552
QEA_I: J7.3 J13.26 | length 15.6
  Bottom Layer w0.254: J7.3@85.573,25.883 85.598,25.857 85.598,18.999 88.671,15.926 J13.26@88.671,11.552
QEB_A: J8.1 J13.14 | length 18
  Bottom Layer w0.254: J8.1@65.253,25.883 65.38,25.756 65.38,19.05 72.674,11.755 73.228,11.755 J13.14@73.431,11.552
QEB_B: J8.2 J13.16 | length 18.2
  Bottom Layer w0.254: J8.2@67.793,25.883 67.793,18.901 74.939,11.755 75.768,11.755 J13.16@75.971,11.552
QEB_I: J8.3 J13.18 | length 18.4
  Bottom Layer w0.254: J8.3@70.333,25.883 70.333,25.705 70.536,25.502 70.513,25.502 70.307,25.296 70.307,19.533 73.777,16.062 75.921,13.919 75.921,13.313 77.479,11.755 78.308,11.755 J13.18@78.511,11.552
UART_RX: J3.4 J21.3 | length 57.7
  Bottom Layer w0.254: J3.4@25.948,23.77 26.186,23.531 26.735,23.531 29.822,20.445 40.409,20.445 41.427,21.463 41.427,52.934 42.24,53.746 49.936,53.746 J21.3@50.013,53.823
UART_TX: J3.6 J21.4 | length 62.6
  Bottom Layer w0.254: J3.6@19.023,20.93 20.598,19.355 41.199,19.355 42.393,20.549 42.393,50.8 42.875,51.283 J21.4@50.013,51.283
VA_CSensor: J1.5 R1.1 R4.1 | length 14.6
  Top Layer w0.508: J1.5@7.417,67.869 7.544,67.996 8.654,67.996 ; R4.1@13.244,68.453 13.194,68.453 12.737,67.996 8.654,67.996 ; R1.1@16.104,65.329 11.321,65.329 8.654,67.996
VA_Filtered: C1.2 R1.2 R11.1 R13.1 U1.5 U1.6 | length 21.2
  Top Layer w0.254: R1.2@17.592,65.227 23.444,65.227 25.898,67.681 25.898,68.834 25.898,69.266 25.923,69.291 R11.1@25.923,70.536 ; R13.1@26.141,69.088 R13.1@25.887,68.834 26.187,68.534 26.618,68.534 ; R13.1@26.162,68.99 26.162,68.632 R13.1@26.26,68.534 ; 27.889,67.92 28.581,67.92 U1.6@28.682,68.021 28.581,68.021 27.889,68.021 27.131,68.021 26.618,68.534 ; U1.5@28.682,69.291 27.375,69.291 26.618,68.534
  Top Layer w0.508: R1.2@17.414,65.227 R1.2@17.657,64.984 ; R1.2@17.682,65.137 17.682,63.928 C1.2@17.882,63.729
VB_CSensor: J1.7 R2.1 R5.1 | length 13.7
  Top Layer w0.508: J1.7@7.417,62.789 7.63,62.576 8.366,62.576 10.77,60.173 ; R5.1@13.343,60.173 10.77,60.173 ; R2.1@16.19,57.048 13.874,57.048 11.74,59.182 11.74,59.202 10.77,60.173
VB_Filtered: C2.2 R2.2 R12.1 R14.1 U1.9 U1.10 | length 30
  Top Layer w0.254: R2.2@17.541,57.353 18.472,57.353 18.621,57.502 18.621,59.185 25.197,65.761 30.556,65.761 32.817,68.021 ; U1.10@34.106,69.291 33.883,69.068 33.381,69.068 32.817,68.504 32.817,68.021 ; R14.1@37.059,69.317 R12.1@37.059,68.021 U1.9@34.106,68.021 32.817,68.021
  Top Layer w0.508: R2.2@17.516,57.252 R2.2@17.592,57.175 ; R2.2@17.617,57.277 17.617,55.855 C2.2@17.693,55.778
Vbus: J1.9 R62.2 R63.2 U3.9 U3.10 | length 51.5
  Top Layer w0.254: U3.9@34.081,78.257 34.493,78.257 34.849,77.902 36.692,77.902 ; U3.10@34.081,79.527 36.551,79.527 36.703,79.375 36.703,78.816 36.703,78.105 36.692,78.094 36.692,77.902 ; R62.2@36.641,77.165 36.652,77.154 v1(36.652,75.006) ; R62.2@36.692,77.597 36.692,77.902
  Bottom Layer w0.504: J1.9@7.417,57.709 7.722,57.709 8.788,56.642 26.645,56.642 36.754,66.751 36.754,74.792 v1@36.692,74.854
VbusRef: C11.2 R18.2 R19.1 U3.11 | length 6.8
  Top Layer w0.254: U3.11@34.081,80.797 36.798,80.797 R18.2@36.881,80.715 R19.1@39.116,80.715 ; R19.1@39.472,80.683 41.157,80.683 C11.2@41.199,80.725
VC_CSensor: J1.3 R3.1 R6.1 | length 16.1
  Top Layer w0.504: J1.3@7.417,72.949 7.849,72.949 7.849,73.079 8.106,73.336 8.236,73.336 12.04,77.14 R6.1@13.258,77.14 ; J1.3@7.849,72.974 15.454,72.974 16.013,73.533 R3.1@16.063,73.533
VC_Filtered: C3.2 R3.2 R15.1 R16.1 U3.5 U3.6 | length 20.6
  Top Layer w0.254: R3.2@17.413,73.483 22.112,73.483 26.172,77.543 26.176,77.543 26.84,78.207 ; R15.1@25.771,80.747 25.771,79.436 26.84,78.367 26.84,78.207 ; 26.84,78.25 27.895,79.304 28.434,79.304 U3.5@28.657,79.527 ; U3.6@28.657,78.257 28.606,78.207 26.84,78.207
  Top Layer w0.508: C3.2@17.405,71.634 C3.2@17.462,71.577
  Top Layer w0.762: R3.2@17.363,73.533 17.413,73.483 17.413,71.642 C3.2@17.405,71.634
pads on no net: IC2.5 IC3.3 IC3.8 IC3.11 J3.1 J3.8 J3.10 J3.11 J4.9 J4.10 J4.12 J5.9 J5.10 J6.9 J6.10 J11.5 J11.6 J11.7 J11.8 J13.6 J13.7 J13.8 J13.MH1 J13.MH2 J17.2 J17.5 J17.6 J17.7 J17.8 J17.9 J17.10 J18.7 J18.8 J18.9 J18.10 J19.3 J19.10 J20.2 J20.3 J20.4 J20.5 J20.6 J20.7 J20.8 J20.9 J20.10 J21.2 J21.5 J21.6 J21.10 J22.6 J22.9 J22.10 J23.3 J23.9 J23.10 J24.5 U2.1 U4.13 U5.4 U7.13 U9.17 U9.18 U10.11 U10.12 U10.13 U10.14 U10.15
copper on no net:
  other v2: 4.191,3.327 126.771,3.353 126.797,128.245 4.191,128.727

## Polygon pours and split planes (outlines as drawn)
GND on Top Layer "Top Layer-GND 6" (solid, pour order 12): -0.002,71.679 0.006,25.07 20.574,25.07 20.574,27.305 20.574,53.264 64.745,53.264 64.745,71.679
GND on Top Layer "Top Layer-GND 9" (solid, pour order 39): 70.51,12.471 70.51,0 130.226,0 130.226,12.471
+5 on Top Layer "Top Layer-+5" (solid, pour order 38): 80.797,12.188 80.797,8.788 90.449,8.788 90.449,12.188
GND on Top Layer "Top Layer-GND 10" (solid, pour order 32): -0.001,124.485 7.036,124.485 7.112,124.409 7.112,92.871 6.976,92.735 0.1,92.735
GND on Top Layer "Top Layer-GND 11" (solid, pour order 31): 43.688,124.917 43.256,124.485 -0.076,124.485 0,124.562 0,131.547 43.764,131.547
GND on Top Layer "Top Layer-GND 7" (solid, pour order 30): 64.719,92.052 64.719,131.547 43.574,131.547 43.574,92.052
12V_P on Top Layer "Top Layer-12V_P" (solid, pour order 29): 32.813,124.917 43.688,124.917 43.688,96.901 43.688,92.812 6.985,92.812 6.782,96.901 6.782,109.068 6.858,109.068 6.985,108.941 32.944,108.941
GND on Top Layer "Top Layer-GND" (solid, pour order 14): 68.475,131.547 130.226,131.547 130.226,12.471 68.62,12.471
GND on Top Layer "Top Layer-GND 1" (solid, pour order 19): 17.475,33.706 17.475,32.766 27.102,32.766 28.042,33.706
GND on Top Layer "Top Layer-GND 2" (solid, pour order 18): 61.773,64.643 61.773,63.703 69.19,63.703 70.129,64.643
GND on Top Layer "Top Layer-GND 3" (solid, pour order 17): 63.462,90.729 63.462,89.789 69.863,89.789 69.888,89.814 69.888,90.729
GND on Top Layer "Top Layer-GND 4" (solid, pour order 16): 63.246,119.837 63.246,118.897 69.647,118.897 69.672,118.923 69.672,119.837
GND on Top Layer "Top Layer-GND 5" (solid, pour order 15): 0,24.575 0,0 71.239,0 69.69,48.362 24.647,48.362 24.647,24.575
no net on Top Layer "Top Layer-No Net 1" (solid, pour order 13): 69.774,122.047
GND on Top Layer "Top Layer-GND 8" (solid, pour order 10): 0.025,92.735 0.025,71.056 64.719,71.056 64.719,92.735
NetC15_2 on Top Layer "Top Layer-12VN_BATT" (solid, pour order 7): 7.112,117.045 7.112,116.713 7.112,109.703 7.239,109.576 32.487,109.576 32.537,109.626 32.537,117.045
12VP_BATT on Top Layer "Top Layer-12VP_BATT" (solid, pour order 6): 7.112,124.741 7.112,124.409 7.112,117.399 7.239,117.272 32.487,117.272 32.537,117.323 32.537,124.741
no net on Top Layer "Top Layer-No Net" (solid, pour order 1): -115.951,123.825
+5 on Bottom Layer "Bottom Layer-GlobalFault" (solid, pour order 35): 130.226,131.547 71.806,131.547 71.806,0 130.226,0
GND on Bottom Layer "Bottom Layer-GND" (solid, pour order 34): 6.68,125.095 6.68,108.661 0,108.661 0,125.07 -0.025,125.095
GND on Bottom Layer "Bottom Layer-GND 1" (solid, pour order 33): 33.426,131.547 0,131.547 0,125.095 33.426,125.095
+5 on Bottom Layer "Bottom Layer-+5" (solid, pour order 26): 33.426,107.594 33.426,131.547 75.032,131.547 75.032,108.696 74.971,108.636
+3V3 on Bottom Layer "Bottom Layer-+3V3" (solid, pour order 25): 66.963,45.517 111.176,45.517 111.176,0 66.726,0
+5 on Bottom Layer "Bottom Layer-+5 1" (solid, pour order 24): 66.273,46.04 104.14,46.04 104.14,62.471
+3V3 on Bottom Layer "Bottom Layer-+3V3 1" (solid, pour order 20): 90.372,127.152 90.449,104.75 90.5,104.699 114.046,104.699 114.046,127.152
NetC15_2 on Bottom Layer "Bottom Layer-12VN_BATT" (solid, pour order 9): 38.913,124.638 32.436,124.638 32.436,110.033 6.909,110.033 6.909,110.084 6.985,110.16 6.985,124.308 7.315,124.638
+5 on Bottom Layer "Bottom Layer-+5 2" (solid, pour order 5): 74.689,107.661 0,107.661 0,0 66.926,0 66.926,44.683 110.005,64.379 74.689,64.379
no net on Mechanical 1 (solid): 75.667,104.8
no net on Top Overlay (solid): 101.956,12.573 101.956,1.092 128.956,1.092 128.956,12.573

## Silkscreen, mask and mechanical layers (free items; w line width, h text height)
Top Overlay:
  drawing of 11 lines, arcs and shapes, not listed
  text "ANALOG" at 58.928,126.34 h0.8
  text "DIGITAL" at 69.596,126.162 h0.8
  text "0" at 47.93,123.673 h0.8 r180
  text "0" at 55.245,123.673 h0.8 r180
  text "Power" at 19.685,122.733 h0.8
  text "Voltage Sense" at 61.557,106.756 h0.8 r90
  text "5V" at 30.429,95.047 h0.8
  text "3.3V" at 34.696,95.021 h0.8
  text "15V" at 22.504,94.92 h0.8
  text "GD-G" at 18.898,94.894 h0.8
  text "V DIV" at 16.256,86.69 h0.8 r90
  text "DNP" at 23.622,83.16 h0.8
  text "Fault Cct." at 19.253,76.479 h0.8
  text "DNP" at 38.837,75.59 h0.8
  text "DNP" at 37.16,70.434 h0.8
  text "DNP" at 21.844,67.716 h0.8
  text "0" at 47.727,60.122 h0.8 r180
  text "0" at 55.524,60.071 h0.8 r180
  text "Current Sensor Interface" at 4.978,58.141 h0.8 r90
  text "DNP" at 74.701,44.044 h0.8
  text "DNP" at 68.58,39.472 h0.8 r90
  text "Temperature Sensor Interface" at 5.017,29.058 h0.8 r90
  text "0" at 50.241,23.647 h0.8 r270
  text "0" at 95.631,21.971 h0.8
  text "0" at 87.859,21.92 h0.8
  text "0" at 72.644,21.895 h0.8
  text "AGU POWER LAB" at 107.442,14.834 h1.27
  text "Controller Board V.1-2L" at 101.6,13.106 h1.27
Mechanical 1:
  lines w0.254: 0,0.149 0.149,0 128.905,0 130.302,0 130.302,131.547 0,131.547 0,121.641 0,0.838 0,0.149

## Text inside footprints (layer, text, board x,y; h text height)
R64: Mechanical 7 "Default Pad Style: RX39p5Y61D0T" at 41.542,133.21 h0.8 r270; Mechanical 7 "Alt 1 Pad Style: OX60Y90D30P" at 40.272,132.258 h0.8 r270; Mechanical 7 "Alt 2 Pad Style: EX90Y60D30P" at 39.002,132.258 h0.8 r270; Mechanical 7 "0.087in/2.21mm" at 53.962,125.59 h0.8 r270; Mechanical 7 "0.057in/1.448mm" at 47.333,133.223 h0.8 r270
R65: Mechanical 7 "Default Pad Style: RX39p5Y61D0T" at 61.074,113.474 h0.8 r90; Mechanical 7 "Alt 1 Pad Style: OX60Y90D30P" at 62.344,114.427 h0.8 r90; Mechanical 7 "Alt 2 Pad Style: EX90Y60D30P" at 63.614,114.427 h0.8 r90; Mechanical 7 "0.087in/2.21mm" at 48.654,121.094 h0.8 r90; Mechanical 7 "0.057in/1.448mm" at 55.283,113.462 h0.8 r90
R66: Mechanical 7 "Default Pad Style: RX39p5Y61D0T" at 40.932,69.634 h0.8 r270; Mechanical 7 "Alt 1 Pad Style: OX60Y90D30P" at 39.662,68.682 h0.8 r270; Mechanical 7 "Alt 2 Pad Style: EX90Y60D30P" at 38.392,68.682 h0.8 r270; Mechanical 7 "0.087in/2.21mm" at 53.353,62.014 h0.8 r270; Mechanical 7 "0.057in/1.448mm" at 46.723,69.647 h0.8 r270
R67: Mechanical 7 "Default Pad Style: RX39p5Y61D0T" at 61.481,49.924 h0.8 r90; Mechanical 7 "Alt 1 Pad Style: OX60Y90D30P" at 62.751,50.876 h0.8 r90; Mechanical 7 "Alt 2 Pad Style: EX90Y60D30P" at 64.021,50.876 h0.8 r90; Mechanical 7 "0.087in/2.21mm" at 49.06,57.544 h0.8 r90; Mechanical 7 "0.057in/1.448mm" at 55.689,49.911 h0.8 r90
R68: Mechanical 7 "Default Pad Style: RX39p5Y61D0T" at 101.968,12.554 h1.27 r90; Mechanical 7 "Alt 1 Pad Style: OX60Y90D30P" at 103.238,13.506 h1.27 r90; Mechanical 7 "Alt 2 Pad Style: EX90Y60D30P" at 104.508,13.506 h1.27 r90; Mechanical 7 "0.087in/2.21mm" at 89.548,20.174 h0.64 r90; Mechanical 7 "0.057in/1.448mm" at 96.177,12.541 h0.64 r90
R69: Mechanical 7 "Default Pad Style: RX39p5Y61D0T" at 94.221,12.529 h1.27 r90; Mechanical 7 "Alt 1 Pad Style: OX60Y90D30P" at 95.491,13.481 h1.27 r90; Mechanical 7 "Alt 2 Pad Style: EX90Y60D30P" at 96.761,13.481 h1.27 r90; Mechanical 7 "0.087in/2.21mm" at 81.801,20.149 h0.64 r90; Mechanical 7 "0.057in/1.448mm" at 88.43,12.516 h0.64 r90
R70: Mechanical 7 "Default Pad Style: RX39p5Y61D0T" at 79.032,12.478 h1.27 r90; Mechanical 7 "Alt 1 Pad Style: OX60Y90D30P" at 80.302,13.43 h1.27 r90; Mechanical 7 "Alt 2 Pad Style: EX90Y60D30P" at 81.572,13.43 h1.27 r90; Mechanical 7 "0.087in/2.21mm" at 66.611,20.098 h0.64 r90; Mechanical 7 "0.057in/1.448mm" at 73.241,12.465 h0.64 r90
R71: Mechanical 7 "Default Pad Style: RX39p5Y61D0T" at 60.496,29.375 h1.27 r180; Mechanical 7 "Alt 1 Pad Style: OX60Y90D30P" at 59.544,30.645 h1.27 r180; Mechanical 7 "Alt 2 Pad Style: EX90Y60D30P" at 59.544,31.915 h1.27 r180; Mechanical 7 "0.087in/2.21mm" at 52.876,16.954 h0.64 r180; Mechanical 7 "0.057in/1.448mm" at 60.509,23.584 h0.64 r180
U2: Top Overlay "*" at 42.1,62.52 h0.8 r180; Mechanical 13 "*" at 41.427,63.028 h0.8 r180